# EAGLE board working (EAGLE 9.5.2), part 2 of 4
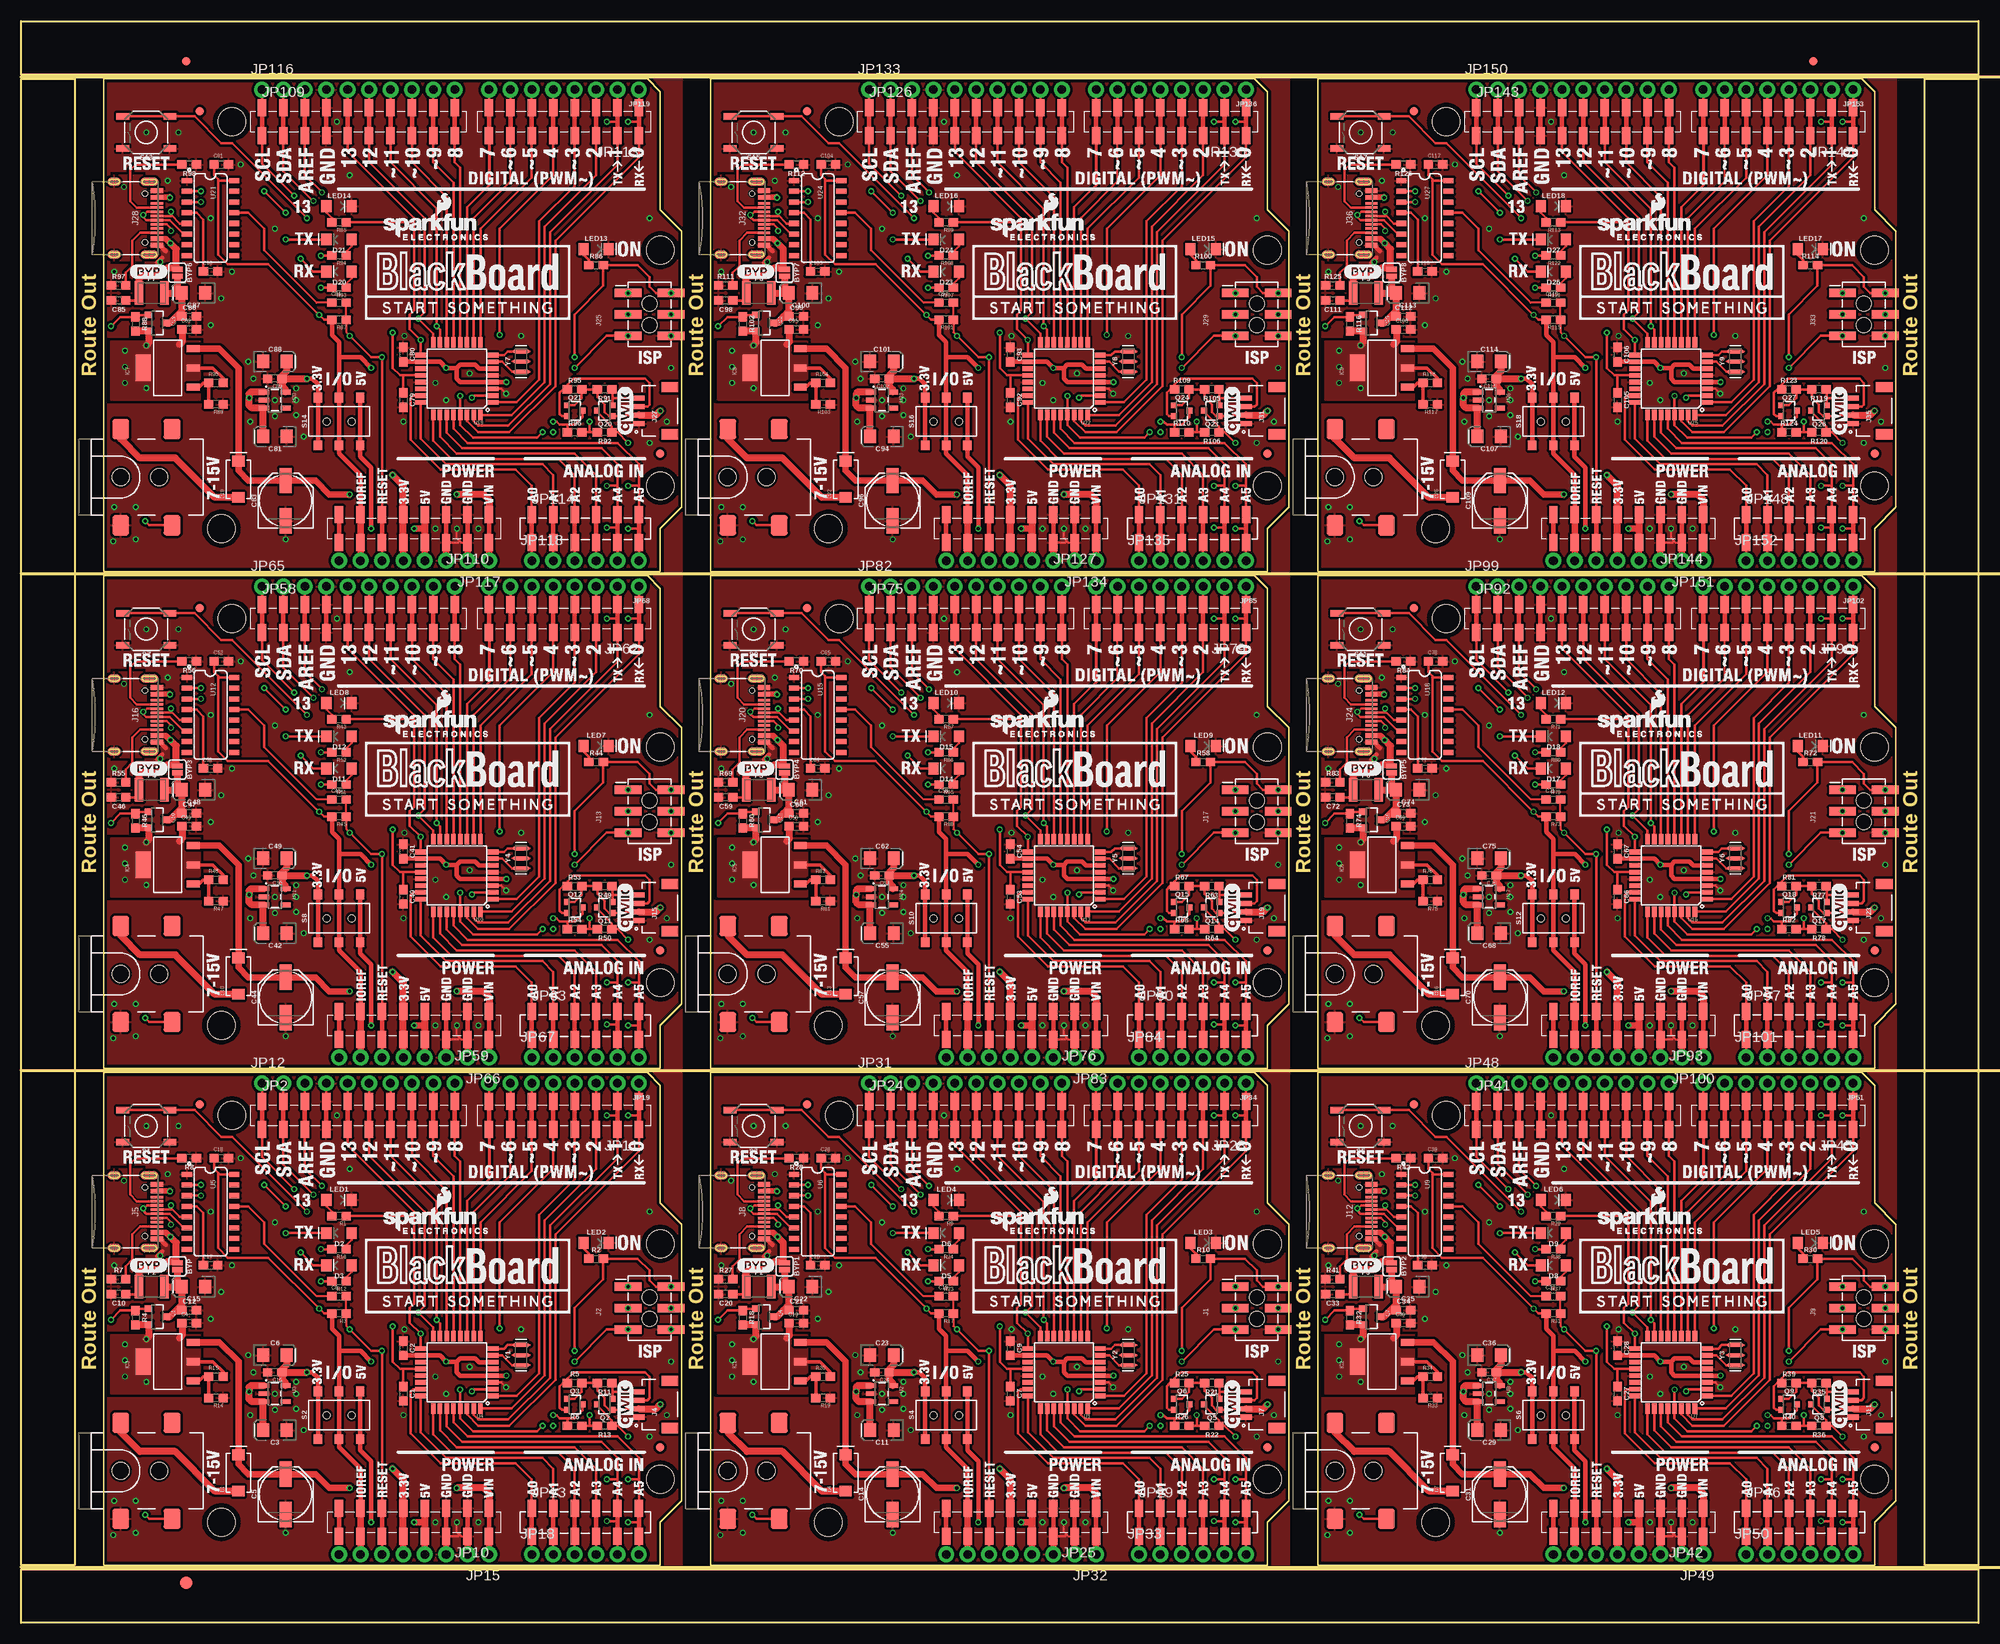
[diagram p0: board, top side]
## Nets
3.3V [power]: C6.+ C16.1 J4.2 JP10.5A JP10.5B JP15.5 Q2.1 Q3.1 R5.2 R11.2 S2.1 S2.4 U3.5
3.3V1 [power]: C23.+ C24.1 J7.2 JP25.5A JP25.5B JP32.5 Q5.1 Q6.1 R21.2 R25.2 S4.1 S4.4 U2.5
3.3V2 [power]: C36.+ C37.1 J11.2 JP42.5A JP42.5B JP49.5 Q8.1 Q9.1 R35.2 R39.2 S6.1 S6.4 U8.5
3.3V3 [power]: C49.+ C50.1 J15.2 JP59.5A JP59.5B JP66.5 Q11.1 Q12.1 R49.2 R53.2 S8.1 S8.4 U11.5
3.3V4 [power]: C62.+ C63.1 J19.2 JP76.5A JP76.5B JP83.5 Q14.1 Q15.1 R63.2 R67.2 S10.1 S10.4 U14.5
3.3V5 [power]: C75.+ C76.1 J23.2 JP93.5A JP93.5B JP100.5 Q17.1 Q18.1 R77.2 R81.2 S12.1 S12.4 U17.5
3.3V6 [power]: C88.+ C89.1 J27.2 JP110.5A JP110.5B JP117.5 Q20.1 Q21.1 R91.2 R95.2 S14.1 S14.4 U20.5
3.3V7 [power]: C101.+ C102.1 J31.2 JP127.5A JP127.5B JP134.5 Q23.1 Q24.1 R105.2 R109.2 S16.1 S16.4 U23.5
3.3V8 [power]: C114.+ C115.1 J35.2 JP144.5A JP144.5B JP151.5 Q26.1 Q27.1 R119.2 R123.2 S18.1 S18.4 U26.5
5V [power]: C3.+ C4.1 IC3.2 IC3.4 JP10.4A JP10.4B JP15.4 Q1.2 R4.2 R15.2 S2.3 S2.6 U3.1 U3.3
5V1 [power]: C11.+ C13.1 IC1.2 IC1.4 JP25.4A JP25.4B JP32.4 Q4.2 R18.2 R20.2 S4.3 S4.6 U2.1 U2.3
5V2 [power]: C29.+ C30.1 IC2.2 IC2.4 JP42.4A JP42.4B JP49.4 Q7.2 R32.2 R34.2 S6.3 S6.6 U8.1 U8.3
5V3 [power]: C42.+ C43.1 IC4.2 IC4.4 JP59.4A JP59.4B JP66.4 Q10.2 R46.2 R48.2 S8.3 S8.6 U11.1 U11.3
5V4 [power]: C55.+ C56.1 IC5.2 IC5.4 JP76.4A JP76.4B JP83.4 Q13.2 R60.2 R62.2 S10.3 S10.6 U14.1 U14.3
5V5 [power]: C68.+ C69.1 IC6.2 IC6.4 JP93.4A JP93.4B JP100.4 Q16.2 R74.2 R76.2 S12.3 S12.6 U17.1 U17.3
5V6 [power]: C81.+ C82.1 IC7.2 IC7.4 JP110.4A JP110.4B JP117.4 Q19.2 R88.2 R90.2 S14.3 S14.6 U20.1 U20.3
5V7 [power]: C94.+ C95.1 IC8.2 IC8.4 JP127.4A JP127.4B JP134.4 Q22.2 R102.2 R104.2 S16.3 S16.6 U23.1 U23.3
5V8 [power]: C107.+ C108.1 IC9.2 IC9.4 JP144.4A JP144.4B JP151.4 Q25.2 R116.2 R118.2 S18.3 S18.6 U26.1 U26.3
!DTR: C8.1 U5.13
!DTR1: C19.1 U6.13
!DTR2: C32.1 U9.13
!DTR3: C45.1 U12.13
!DTR4: C58.1 U15.13
!DTR5: C71.1 U18.13
!DTR6: C84.1 U21.13
!DTR7: C97.1 U24.13
!DTR8: C110.1 U27.13
!RESET: C8.2 J2.5 JP10.6A JP10.6B JP15.6 R3.1 S1.3 S1.4 TP6.P$1 U4.29
!RESET1: C19.2 J1.5 JP25.6A JP25.6B JP32.6 R17.1 S3.3 S3.4 TP12.P$1 U1.29
!RESET2: C32.2 J9.5 JP42.6A JP42.6B JP49.6 R31.1 S5.3 S5.4 TP18.P$1 U7.29
!RESET3: C45.2 J13.5 JP59.6A JP59.6B JP66.6 R45.1 S7.3 S7.4 TP24.P$1 U10.29
!RESET4: C58.2 J17.5 JP76.6A JP76.6B JP83.6 R59.1 S9.3 S9.4 TP30.P$1 U13.29
!RESET5: C71.2 J21.5 JP93.6A JP93.6B JP100.6 R73.1 S11.3 S11.4 TP36.P$1 U16.29
!RESET6: C84.2 J25.5 JP110.6A JP110.6B JP117.6 R87.1 S13.3 S13.4 TP42.P$1 U19.29
!RESET7: C97.2 J29.5 JP127.6A JP127.6B JP134.6 R101.1 S15.3 S15.4 TP48.P$1 U22.29
!RESET8: C110.2 J33.5 JP144.6A JP144.6B JP151.6 R115.1 S17.3 S17.4 TP54.P$1 U25.29
A0: JP13.1A JP13.1B JP18.1 U4.23
A1: JP13.2A JP13.2B JP18.2 U4.24
A2: JP13.3A JP13.3B JP18.3 U4.25
A3: JP13.4A JP13.4B JP18.4 U4.26
A4: JP29.1A JP29.1B JP33.1 U1.23
A4/SDA: JP2.2A JP2.2B JP12.2 JP13.5A JP13.5B JP18.5 QW2.1 U4.27
A4/SDA1: JP24.2A JP24.2B JP29.5A JP29.5B JP31.2 JP33.5 QW3.1 U1.27
A4/SDA2: JP41.2A JP41.2B JP46.5A JP46.5B JP48.2 JP50.5 QW5.1 U7.27
A4/SDA3: JP58.2A JP58.2B JP63.5A JP63.5B JP65.2 JP67.5 QW7.1 U10.27
A4/SDA4: JP75.2A JP75.2B JP80.5A JP80.5B JP82.2 JP84.5 QW9.1 U13.27
A4/SDA5: JP92.2A JP92.2B JP97.5A JP97.5B JP99.2 JP101.5 QW11.1 U16.27
A4/SDA6: JP109.2A JP109.2B JP114.5A JP114.5B JP116.2 JP118.5 QW13.1 U19.27
A4/SDA7: JP126.2A JP126.2B JP131.5A JP131.5B JP133.2 JP135.5 QW15.1 U22.27
A4/SDA8: JP143.2A JP143.2B JP148.5A JP148.5B JP150.2 JP152.5 QW17.1 U25.27
A5: JP29.2A JP29.2B JP33.2 U1.24
A5/SCL: JP2.1A JP2.1B JP12.1 JP13.6A JP13.6B JP18.6 QW1.1 U4.28
A5/SCL1: JP24.1A JP24.1B JP29.6A JP29.6B JP31.1 JP33.6 QW4.1 U1.28
A5/SCL2: JP41.1A JP41.1B JP46.6A JP46.6B JP48.1 JP50.6 QW6.1 U7.28
A5/SCL3: JP58.1A JP58.1B JP63.6A JP63.6B JP65.1 JP67.6 QW8.1 U10.28
A5/SCL4: JP75.1A JP75.1B JP80.6A JP80.6B JP82.1 JP84.6 QW10.1 U13.28
A5/SCL5: JP92.1A JP92.1B JP97.6A JP97.6B JP99.1 JP101.6 QW12.1 U16.28
A5/SCL6: JP109.1A JP109.1B JP114.6A JP114.6B JP116.1 JP118.6 QW14.1 U19.28
A5/SCL7: JP126.1A JP126.1B JP131.6A JP131.6B JP133.1 JP135.6 QW16.1 U22.28
A5/SCL8: JP143.1A JP143.1B JP148.6A JP148.6B JP150.1 JP152.6 QW18.1 U25.28
A6: JP29.3A JP29.3B JP33.3 U1.25
A7: JP29.4A JP29.4B JP33.4 U1.26
A8: JP46.1A JP46.1B JP50.1 U7.23
A9: JP46.2A JP46.2B JP50.2 U7.24
A10: JP46.3A JP46.3B JP50.3 U7.25
A11: JP46.4A JP46.4B JP50.4 U7.26
A12: JP63.1A JP63.1B JP67.1 U10.23
A13: JP63.2A JP63.2B JP67.2 U10.24
A14: JP63.3A JP63.3B JP67.3 U10.25
A15: JP63.4A JP63.4B JP67.4 U10.26
A16: JP80.1A JP80.1B JP84.1 U13.23
A17: JP80.2A JP80.2B JP84.2 U13.24
A18: JP80.3A JP80.3B JP84.3 U13.25
A19: JP80.4A JP80.4B JP84.4 U13.26
A20: JP97.1A JP97.1B JP101.1 U16.23
A21: JP97.2A JP97.2B JP101.2 U16.24
A22: JP97.3A JP97.3B JP101.3 U16.25
A23: JP97.4A JP97.4B JP101.4 U16.26
A24: JP114.1A JP114.1B JP118.1 U19.23
A25: JP114.2A JP114.2B JP118.2 U19.24
A26: JP114.3A JP114.3B JP118.3 U19.25
A27: JP114.4A JP114.4B JP118.4 U19.26
A28: JP131.1A JP131.1B JP135.1 U22.23
A29: JP131.2A JP131.2B JP135.2 U22.24
A30: JP131.3A JP131.3B JP135.3 U22.25
A31: JP131.4A JP131.4B JP135.4 U22.26
A32: JP148.1A JP148.1B JP152.1 U25.23
A33: JP148.2A JP148.2B JP152.2 U25.24
A34: JP148.3A JP148.3B JP152.3 U25.25
A35: JP148.4A JP148.4B JP152.4 U25.26
AREF: C1.1 JP2.3A JP2.3B JP12.3 U4.20
AREF1: C7.1 JP24.3A JP24.3B JP31.3 U1.20
AREF2: C27.1 JP41.3A JP41.3B JP48.3 U7.20
AREF3: C40.1 JP58.3A JP58.3B JP65.3 U10.20
AREF4: C53.1 JP75.3A JP75.3B JP82.3 U13.20
AREF5: C66.1 JP92.3A JP92.3B JP99.3 U16.20
AREF6: C79.1 JP109.3A JP109.3B JP116.3 U19.20
AREF7: C92.1 JP126.3A JP126.3B JP133.3 U22.20
AREF8: C105.1 JP143.3A JP143.3B JP150.3 U25.20
CC1: J5.A5 R8.2
CC2: J5.B5 R7.2
CC3: J8.B5 R27.2
CC4: J8.A5 R28.2
CC5: J12.B5 R41.2
CC6: J12.A5 R42.2
CC7: J16.B5 R55.2
CC8: J16.A5 R56.2
CC9: J20.B5 R69.2
CC10: J20.A5 R70.2
CC11: J24.B5 R83.2
CC12: J24.A5 R84.2
CC13: J28.B5 R97.2
CC14: J28.A5 R98.2
CC15: J32.B5 R111.2
CC16: J32.A5 R112.2
CC17: J36.B5 R125.2
CC18: J36.A5 R126.2
D1: JP28.3A JP28.3B JP34.3 U1.32
D2: JP11.3A JP11.3B JP19.3 U4.32
D3: JP11.4A JP11.4B JP19.4 U4.1
D4: JP11.5A JP11.5B JP19.5 U4.2
D5: JP11.6A JP11.6B JP19.6 U4.9
D6: JP11.7A JP11.7B JP19.7 U4.10
D7: JP11.8A JP11.8B JP19.8 U4.11
D8: JP2.10A JP2.10B JP12.10 U4.12
D9: JP2.9A JP2.9B JP12.9 U4.13
D10: JP2.8A JP2.8B JP12.8 U4.14
D11: JP28.4A JP28.4B JP34.4 U1.1
D12: JP28.5A JP28.5B JP34.5 U1.2
D13: JP28.6A JP28.6B JP34.6 U1.9
D14: JP28.7A JP28.7B JP34.7 U1.10
D15: JP28.8A JP28.8B JP34.8 U1.11
D16: JP24.10A JP24.10B JP31.10 U1.12
D17: JP24.9A JP24.9B JP31.9 U1.13
D18: JP24.8A JP24.8B JP31.8 U1.14
D19: JP45.3A JP45.3B JP51.3 U7.32
D20: JP45.4A JP45.4B JP51.4 U7.1
D21: JP45.5A JP45.5B JP51.5 U7.2
D22: JP45.6A JP45.6B JP51.6 U7.9
D23: JP45.7A JP45.7B JP51.7 U7.10
D24: JP45.8A JP45.8B JP51.8 U7.11
D25: JP41.10A JP41.10B JP48.10 U7.12
D26: JP41.9A JP41.9B JP48.9 U7.13
D27: JP41.8A JP41.8B JP48.8 U7.14
D28: JP62.3A JP62.3B JP68.3 U10.32
D29: JP62.4A JP62.4B JP68.4 U10.1
D30: JP62.5A JP62.5B JP68.5 U10.2
D31: JP62.6A JP62.6B JP68.6 U10.9
D32: JP62.7A JP62.7B JP68.7 U10.10
D33: JP62.8A JP62.8B JP68.8 U10.11
D34: JP58.10A JP58.10B JP65.10 U10.12
D35: JP58.9A JP58.9B JP65.9 U10.13
D36: JP58.8A JP58.8B JP65.8 U10.14
D37: JP79.3A JP79.3B JP85.3 U13.32
D38: JP79.4A JP79.4B JP85.4 U13.1
D39: JP79.5A JP79.5B JP85.5 U13.2
D40: JP79.6A JP79.6B JP85.6 U13.9
D41: JP79.7A JP79.7B JP85.7 U13.10
D42: JP79.8A JP79.8B JP85.8 U13.11
D43: JP75.10A JP75.10B JP82.10 U13.12
D44: JP75.9A JP75.9B JP82.9 U13.13
D45: JP75.8A JP75.8B JP82.8 U13.14
D46: JP96.3A JP96.3B JP102.3 U16.32
D47: JP96.4A JP96.4B JP102.4 U16.1
D48: JP96.5A JP96.5B JP102.5 U16.2
D49: JP96.6A JP96.6B JP102.6 U16.9
D50: JP96.7A JP96.7B JP102.7 U16.10
D51: JP96.8A JP96.8B JP102.8 U16.11
D52: JP92.10A JP92.10B JP99.10 U16.12
D53: JP92.9A JP92.9B JP99.9 U16.13
D54: JP92.8A JP92.8B JP99.8 U16.14
D55: JP113.3A JP113.3B JP119.3 U19.32
D56: JP113.4A JP113.4B JP119.4 U19.1
D57: JP113.5A JP113.5B JP119.5 U19.2
D58: JP113.6A JP113.6B JP119.6 U19.9
D59: JP113.7A JP113.7B JP119.7 U19.10
D60: JP113.8A JP113.8B JP119.8 U19.11
D61: JP109.10A JP109.10B JP116.10 U19.12
D62: JP109.9A JP109.9B JP116.9 U19.13
D63: JP109.8A JP109.8B JP116.8 U19.14
D64: JP130.3A JP130.3B JP136.3 U22.32
D65: JP130.4A JP130.4B JP136.4 U22.1
D66: JP130.5A JP130.5B JP136.5 U22.2
D67: JP130.6A JP130.6B JP136.6 U22.9
D68: JP130.7A JP130.7B JP136.7 U22.10
D69: JP130.8A JP130.8B JP136.8 U22.11
D70: JP126.10A JP126.10B JP133.10 U22.12
D71: JP126.9A JP126.9B JP133.9 U22.13
D72: JP126.8A JP126.8B JP133.8 U22.14
D73: JP147.3A JP147.3B JP153.3 U25.32
D74: JP147.4A JP147.4B JP153.4 U25.1
D75: JP147.5A JP147.5B JP153.5 U25.2
D76: JP147.6A JP147.6B JP153.6 U25.9
D77: JP147.7A JP147.7B JP153.7 U25.10
D78: JP147.8A JP147.8B JP153.8 U25.11
D79: JP143.10A JP143.10B JP150.10 U25.12
D80: JP143.9A JP143.9B JP150.9 U25.13
D81: JP143.8A JP143.8B JP150.8 U25.14
D+: J5.A6 J5.B6 JP14.D+ U5.5
D+1: J8.A6 J8.B6 JP30.D+ U6.5
D+2: J12.A6 J12.B6 JP47.D+ U9.5
D+3: J16.A6 J16.B6 JP64.D+ U12.5
D+4: J20.A6 J20.B6 JP81.D+ U15.5
D+5: J24.A6 J24.B6 JP98.D+ U18.5
D+6: J28.A6 J28.B6 JP115.D+ U21.5
D+7: J32.A6 J32.B6 JP132.D+ U24.5
D+8: J36.A6 J36.B6 JP149.D+ U27.5
D-: J5.A7 J5.B7 JP14.D- U5.6
D-1: J8.A7 J8.B7 JP30.D- U6.6
D-2: J12.A7 J12.B7 JP47.D- U9.6
D-3: J16.A7 J16.B7 JP64.D- U12.6
D-4: J20.A7 J20.B7 JP81.D- U15.6
D-5: J24.A7 J24.B7 JP98.D- U18.6
D-6: J28.A7 J28.B7 JP115.D- U21.6
D-7: J32.A7 J32.B7 JP132.D- U24.6
D-8: J36.A7 J36.B7 JP149.D- U27.6
GND: C1.2 C2.1 C3.- C4.2 C5.- C6.- C10.2 C12.2 C15.- C16.2 C17.2 C18.2 J2.6 J3.GND J4.1 J5.GND J5.GND2 JP2.4A JP2.4B JP10.2A JP10.2B JP10.3A JP10.3B JP12.4 JP14.GND JP15.2 JP15.3 LED1.C LED2.C R7.1 R8.1 R14.1 S1.1 S1.2 TP3.P$1 U3.2 U4.3 U4.5 U4.21 U5.1 Y1.2
GND1: C7.2 C9.1 C11.- C13.2 C14.- C20.2 C21.2 C22.- C23.- C24.2 C25.2 C26.2 J1.6 J6.GND J7.1 J8.GND J8.GND2 JP24.4A JP24.4B JP25.2A JP25.2B JP25.3A JP25.3B JP30.GND JP31.4 JP32.2 JP32.3 LED3.C LED4.C R19.1 R27.1 R28.1 S3.1 S3.2 TP9.P$1 U1.3 U1.5 U1.21 U2.2 U6.1 Y2.2
GND2: C27.2 C28.1 C29.- C30.2 C31.- C33.2 C34.2 C35.- C36.- C37.2 C38.2 C39.2 J9.6 J10.GND J11.1 J12.GND J12.GND2 JP41.4A JP41.4B JP42.2A JP42.2B JP42.3A JP42.3B JP47.GND JP48.4 JP49.2 JP49.3 LED5.C LED6.C R33.1 R41.1 R42.1 S5.1 S5.2 TP15.P$1 U7.3 U7.5 U7.21 U8.2 U9.1 Y3.2
GND3: C40.2 C41.1 C42.- C43.2 C44.- C46.2 C47.2 C48.- C49.- C50.2 C51.2 C52.2 J13.6 J14.GND J15.1 J16.GND J16.GND2 JP58.4A JP58.4B JP59.2A JP59.2B JP59.3A JP59.3B JP64.GND JP65.4 JP66.2 JP66.3 LED7.C LED8.C R47.1 R55.1 R56.1 S7.1 S7.2 TP21.P$1 U10.3 U10.5 U10.21 U11.2 U12.1 Y4.2
GND4: C53.2 C54.1 C55.- C56.2 C57.- C59.2 C60.2 C61.- C62.- C63.2 C64.2 C65.2 J17.6 J18.GND J19.1 J20.GND J20.GND2 JP75.4A JP75.4B JP76.2A JP76.2B JP76.3A JP76.3B JP81.GND JP82.4 JP83.2 JP83.3 LED9.C LED10.C R61.1 R69.1 R70.1 S9.1 S9.2 TP27.P$1 U13.3 U13.5 U13.21 U14.2 U15.1 Y5.2
GND5: C66.2 C67.1 C68.- C69.2 C70.- C72.2 C73.2 C74.- C75.- C76.2 C77.2 C78.2 J21.6 J22.GND J23.1 J24.GND J24.GND2 JP92.4A JP92.4B JP93.2A JP93.2B JP93.3A JP93.3B JP98.GND JP99.4 JP100.2 JP100.3 LED11.C LED12.C R75.1 R83.1 R84.1 S11.1 S11.2 TP33.P$1 U16.3 U16.5 U16.21 U17.2 U18.1 Y6.2
GND6: C79.2 C80.1 C81.- C82.2 C83.- C85.2 C86.2 C87.- C88.- C89.2 C90.2 C91.2 J25.6 J26.GND J27.1 J28.GND J28.GND2 JP109.4A JP109.4B JP110.2A JP110.2B JP110.3A JP110.3B JP115.GND JP116.4 JP117.2 JP117.3 LED13.C LED14.C R89.1 R97.1 R98.1 S13.1 S13.2 TP39.P$1 U19.3 U19.5 U19.21 U20.2 U21.1 Y7.2
GND7: C92.2 C93.1 C94.- C95.2 C96.- C98.2 C99.2 C100.- C101.- C102.2 C103.2 C104.2 J29.6 J30.GND J31.1 J32.GND J32.GND2 JP126.4A JP126.4B JP127.2A JP127.2B JP127.3A JP127.3B JP132.GND JP133.4 JP134.2 JP134.3 LED15.C LED16.C R103.1 R111.1 R112.1 S15.1 S15.2 TP45.P$1 U22.3 U22.5 U22.21 U23.2 U24.1 Y8.2
GND8: C105.2 C106.1 C107.- C108.2 C109.- C111.2 C112.2 C113.- C114.- C115.2 C116.2 C117.2 J33.6 J34.GND J35.1 J36.GND J36.GND2 JP143.4A JP143.4B JP144.2A JP144.2B JP144.3A JP144.3B JP149.GND JP150.4 JP151.2 JP151.3 LED17.C LED18.C R117.1 R125.1 R126.1 S17.1 S17.2 TP51.P$1 U25.3 U25.5 U25.21 U26.2 U27.1 Y9.2
INSERT: J3.P$4 Q1.1 R4.1
INSERT1: J6.P$4 Q4.1 R18.1
INSERT2: J10.P$4 Q7.1 R32.1
INSERT3: J14.P$4 Q10.1 R46.1
INSERT4: J18.P$4 Q13.1 R60.1
INSERT5: J22.P$4 Q16.1 R74.1
INSERT6: J26.P$4 Q19.1 R88.1
INSERT7: J30.P$4 Q22.1 R102.1
INSERT8: J34.P$4 Q25.1 R116.1
LV_SCL: J4.4 Q2.2 R11.1
LV_SCL1: J7.4 Q5.2 R21.1
LV_SCL2: J11.4 Q8.2 R35.1
LV_SCL3: J15.4 Q11.2 R49.1
LV_SCL4: J19.4 Q14.2 R63.1
LV_SCL5: J23.4 Q17.2 R77.1
LV_SCL6: J27.4 Q20.2 R91.1
LV_SCL7: J31.4 Q23.2 R105.1
LV_SCL8: J35.4 Q26.2 R119.1
LV_SDA: J4.3 Q3.2 R5.1
LV_SDA1: J7.3 Q6.2 R25.1
LV_SDA2: J11.3 Q9.2 R39.1
LV_SDA3: J15.3 Q12.2 R53.1
LV_SDA4: J19.3 Q15.2 R67.1
LV_SDA5: J23.3 Q18.2 R81.1
LV_SDA6: J27.3 Q21.2 R95.1
LV_SDA7: J31.3 Q24.2 R109.1
LV_SDA8: J35.3 Q27.2 R123.1
MISO: J2.1 JP2.6A JP2.6B JP12.6 TP4.P$1 U4.16
MISO1: J1.1 JP24.6A JP24.6B JP31.6 TP10.P$1 U1.16
MISO2: J9.1 JP41.6A JP41.6B JP48.6 TP16.P$1 U7.16
MISO3: J13.1 JP58.6A JP58.6B JP65.6 TP22.P$1 U10.16
MISO4: J17.1 JP75.6A JP75.6B JP82.6 TP28.P$1 U13.16
MISO5: J21.1 JP92.6A JP92.6B JP99.6 TP34.P$1 U16.16
MISO6: J25.1 JP109.6A JP109.6B JP116.6 TP40.P$1 U19.16
MISO7: J29.1 JP126.6A JP126.6B JP133.6 TP46.P$1 U22.16
MISO8: J33.1 JP143.6A JP143.6B JP150.6 TP52.P$1 U25.16
MOSI: J2.4 JP2.7A JP2.7B JP12.7 TP2.P$1 U4.15
MOSI1: J1.4 JP24.7A JP24.7B JP31.7 TP8.P$1 U1.15
MOSI2: J9.4 JP41.7A JP41.7B JP48.7 TP14.P$1 U7.15
MOSI3: J13.4 JP58.7A JP58.7B JP65.7 TP20.P$1 U10.15
MOSI4: J17.4 JP75.7A JP75.7B JP82.7 TP26.P$1 U13.15
MOSI5: J21.4 JP92.7A JP92.7B JP99.7 TP32.P$1 U16.15
MOSI6: J25.4 JP109.7A JP109.7B JP116.7 TP38.P$1 U19.15
MOSI7: J29.4 JP126.7A JP126.7B JP133.7 TP44.P$1 U22.15
MOSI8: J33.4 JP143.7A JP143.7B JP150.7 TP50.P$1 U25.15
N$1: LED1.A R1.2
N$2: LED2.A R2.1
N$3: U4.7 Y1.1
N$4: U4.8 Y1.3
N$5: D2.A R16.1
N$6: C17.1 U5.4
N$7: Q2.3 QW1.2 R13.1
N$8: LED3.A R10.1
N$9: D3.A R12.1
N$10: LED4.A R9.2
N$11: IC1.1 R19.2 R20.1
N$12: U1.7 Y2.1
N$13: U1.8 Y2.3
N$14: D6.A R24.1
N$15: IC3.1 R14.2 R15.1
N$16: D5.A R23.1
N$17: C25.1 U6.4
N$18: Q5.3 QW4.2 R22.1
N$19: Q6.3 QW3.2 R26.1
N$20: LED5.A R30.1
N$21: LED6.A R29.2
N$22: IC2.1 R33.2 R34.1
N$23: U7.7 Y3.1
N$24: U7.8 Y3.3
N$25: D9.A R38.1
N$26: D8.A R37.1
N$27: C38.1 U9.4
N$28: Q8.3 QW6.2 R36.1
N$29: Q9.3 QW5.2 R40.1
N$30: LED7.A R44.1
N$31: LED8.A R43.2
N$32: IC4.1 R47.2 R48.1
N$33: U10.7 Y4.1
N$34: U10.8 Y4.3
N$35: D12.A R52.1
N$36: D11.A R51.1
N$37: C51.1 U12.4
N$38: Q11.3 QW8.2 R50.1
N$39: Q12.3 QW7.2 R54.1
N$40: LED9.A R58.1
N$41: LED10.A R57.2
N$42: IC5.1 R61.2 R62.1
N$43: U13.7 Y5.1
N$44: U13.8 Y5.3
N$45: Q3.3 QW2.2 R6.1
N$46: D15.A R66.1
N$47: D14.A R65.1
N$48: C64.1 U15.4
N$49: Q14.3 QW10.2 R64.1
N$50: Q15.3 QW9.2 R68.1
N$51: LED11.A R72.1
N$52: LED12.A R71.2
N$53: IC6.1 R75.2 R76.1
N$54: U16.7 Y6.1
N$55: U16.8 Y6.3
N$56: D18.A R80.1
N$57: D17.A R79.1
N$58: C77.1 U18.4
N$59: Q17.3 QW12.2 R78.1
N$60: Q18.3 QW11.2 R82.1
N$61: LED13.A R86.1
N$62: LED14.A R85.2
N$63: IC7.1 R89.2 R90.1
N$64: U19.7 Y7.1
N$65: U19.8 Y7.3
N$66: D21.A R94.1
N$67: D20.A R93.1
N$68: C90.1 U21.4
N$69: Q20.3 QW14.2 R92.1
N$70: Q21.3 QW13.2 R96.1
N$71: LED15.A R100.1
N$72: LED16.A R99.2
N$73: IC8.1 R103.2 R104.1
N$74: U22.7 Y8.1
N$75: U22.8 Y8.3
N$76: D24.A R108.1
N$77: D23.A R107.1
N$78: C103.1 U24.4
N$79: Q23.3 QW16.2 R106.1
N$80: Q24.3 QW15.2 R110.1
N$81: LED17.A R114.1
N$82: LED18.A R113.2
N$83: IC9.1 R117.2 R118.1
N$84: U25.7 Y9.1
N$85: U25.8 Y9.3
N$86: D27.A R122.1
N$87: D26.A R121.1
N$88: C116.1 U27.4
N$89: Q26.3 QW18.2 R120.1
N$90: Q27.3 QW17.2 R124.1
PWRIN [power]: D1.A J3.VIN0
PWRIN1 [power]: D4.A J6.VIN0
PWRIN2 [power]: D7.A J10.VIN0
PWRIN3 [power]: D10.A J14.VIN0
PWRIN4 [power]: D13.A J18.VIN0
PWRIN5 [power]: D16.A J22.VIN0
PWRIN6 [power]: D19.A J26.VIN0
PWRIN7 [power]: D22.A J30.VIN0
PWRIN8 [power]: D25.A J34.VIN0
RX-I: D3.C JP11.1A JP11.1B JP19.1 U4.30 U5.2
RX-I1: D5.C JP28.1A JP28.1B JP34.1 U1.30 U6.2
RX-I2: D8.C JP45.1A JP45.1B JP51.1 U7.30 U9.2
RX-I3: D11.C JP62.1A JP62.1B JP68.1 U10.30 U12.2
RX-I4: D14.C JP79.1A JP79.1B JP85.1 U13.30 U15.2
RX-I5: D17.C JP96.1A JP96.1B JP102.1 U16.30 U18.2
RX-I6: D20.C JP113.1A JP113.1B JP119.1 U19.30 U21.2
RX-I7: D23.C JP130.1A JP130.1B JP136.1 U22.30 U24.2
RX-I8: D26.C JP147.1A JP147.1B JP153.1 U25.30 U27.2
SCK: J2.3 JP2.5A JP2.5B JP12.5 R1.1 TP5.P$1 U4.17
SCK1: J1.3 JP24.5A JP24.5B JP31.5 R9.1 TP11.P$1 U1.17
SCK2: J9.3 JP41.5A JP41.5B JP48.5 R29.1 TP17.P$1 U7.17
SCK3: J13.3 JP58.5A JP58.5B JP65.5 R43.1 TP23.P$1 U10.17
SCK4: J17.3 JP75.5A JP75.5B JP82.5 R57.1 TP29.P$1 U13.17
SCK5: J21.3 JP92.5A JP92.5B JP99.5 R71.1 TP35.P$1 U16.17
SCK6: J25.3 JP109.5A JP109.5B JP116.5 R85.1 TP41.P$1 U19.17
SCK7: J29.3 JP126.5A JP126.5B JP133.5 R99.1 TP47.P$1 U22.17
SCK8: J33.3 JP143.5A JP143.5B JP150.5 R113.1 TP53.P$1 U25.17
SHLD: J5.SHLD1 J5.SHLD2 J5.SHLD3 J5.SHLD4 J5.SHLD5 J5.SHLD6 J5.SHLD7 J5.SHLD8
SHLD1: J8.SHLD1 J8.SHLD2 J8.SHLD3 J8.SHLD4 J8.SHLD5 J8.SHLD6 J8.SHLD7 J8.SHLD8
SHLD2: J12.SHLD1 J12.SHLD2 J12.SHLD3 J12.SHLD4 J12.SHLD5 J12.SHLD6 J12.SHLD7 J12.SHLD8
SHLD3: J16.SHLD1 J16.SHLD2 J16.SHLD3 J16.SHLD4 J16.SHLD5 J16.SHLD6 J16.SHLD7 J16.SHLD8
SHLD4: J20.SHLD1 J20.SHLD2 J20.SHLD3 J20.SHLD4 J20.SHLD5 J20.SHLD6 J20.SHLD7 J20.SHLD8
SHLD5: J24.SHLD1 J24.SHLD2 J24.SHLD3 J24.SHLD4 J24.SHLD5 J24.SHLD6 J24.SHLD7 J24.SHLD8
SHLD6: J28.SHLD1 J28.SHLD2 J28.SHLD3 J28.SHLD4 J28.SHLD5 J28.SHLD6 J28.SHLD7 J28.SHLD8
SHLD7: J32.SHLD1 J32.SHLD2 J32.SHLD3 J32.SHLD4 J32.SHLD5 J32.SHLD6 J32.SHLD7 J32.SHLD8
SHLD8: J36.SHLD1 J36.SHLD2 J36.SHLD3 J36.SHLD4 J36.SHLD5 J36.SHLD6 J36.SHLD7 J36.SHLD8
TX-O: D2.C JP11.2A JP11.2B JP19.2 U4.31 U5.3
TX-O1: D6.C JP28.2A JP28.2B JP34.2 U1.31 U6.3
TX-O2: D9.C JP45.2A JP45.2B JP51.2 U7.31 U9.3
TX-O3: D12.C JP62.2A JP62.2B JP68.2 U10.31 U12.3
TX-O4: D15.C JP79.2A JP79.2B JP85.2 U13.31 U15.3
TX-O5: D18.C JP96.2A JP96.2B JP102.2 U16.31 U18.3
TX-O6: D21.C JP113.2A JP113.2B JP119.2 U19.31 U21.3
TX-O7: D24.C JP130.2A JP130.2B JP136.2 U22.31 U24.3
TX-O8: D27.C JP147.2A JP147.2B JP153.2 U25.31 U27.3
USBVCC [power]: BYP.2 C12.1 C15.+ F2.2 Q1.3
USBVCC1 [power]: BYP1.2 C21.1 C22.+ F1.2 Q4.3
USBVCC2 [power]: BYP2.2 C34.1 C35.+ F3.2 Q7.3
USBVCC3 [power]: BYP3.2 C47.1 C48.+ F4.2 Q10.3
USBVCC4 [power]: BYP4.2 C60.1 C61.+ F5.2 Q13.3
USBVCC5 [power]: BYP5.2 C73.1 C74.+ F6.2 Q16.3
USBVCC6 [power]: BYP6.2 C86.1 C87.+ F7.2 Q19.3
USBVCC7 [power]: BYP7.2 C99.1 C100.+ F8.2 Q22.3
USBVCC8 [power]: BYP8.2 C112.1 C113.+ F9.2 Q25.3
VCC: C2.2 C18.1 J2.2 JP10.7A JP10.7B JP15.7 R2.2 R3.2 R6.2 R12.2 R13.2 R16.2 S2.2 S2.5 TP1.P$1 U4.4 U4.6 U4.18 U5.16
VCC1: C9.2 C26.1 J1.2 JP25.7A JP25.7B JP32.7 R10.2 R17.2 R22.2 R23.2 R24.2 R26.2 S4.2 S4.5 TP7.P$1 U1.4 U1.6 U1.18 U6.16
VCC2: C28.2 C39.1 J9.2 JP42.7A JP42.7B JP49.7 R30.2 R31.2 R36.2 R37.2 R38.2 R40.2 S6.2 S6.5 TP13.P$1 U7.4 U7.6 U7.18 U9.16
VCC3: C41.2 C52.1 J13.2 JP59.7A JP59.7B JP66.7 R44.2 R45.2 R50.2 R51.2 R52.2 R54.2 S8.2 S8.5 TP19.P$1 U10.4 U10.6 U10.18 U12.16
VCC4: C54.2 C65.1 J17.2 JP76.7A JP76.7B JP83.7 R58.2 R59.2 R64.2 R65.2 R66.2 R68.2 S10.2 S10.5 TP25.P$1 U13.4 U13.6 U13.18 U15.16
VCC5: C67.2 C78.1 J21.2 JP93.7A JP93.7B JP100.7 R72.2 R73.2 R78.2 R79.2 R80.2 R82.2 S12.2 S12.5 TP31.P$1 U16.4 U16.6 U16.18 U18.16
VCC6: C80.2 C91.1 J25.2 JP110.7A JP110.7B JP117.7 R86.2 R87.2 R92.2 R93.2 R94.2 R96.2 S14.2 S14.5 TP37.P$1 U19.4 U19.6 U19.18 U21.16
VCC7: C93.2 C104.1 J29.2 JP127.7A JP127.7B JP134.7 R100.2 R101.2 R106.2 R107.2 R108.2 R110.2 S16.2 S16.5 TP43.P$1 U22.4 U22.6 U22.18 U24.16
VCC8: C106.2 C117.1 J33.2 JP144.7A JP144.7B JP151.7 R114.2 R115.2 R120.2 R121.2 R122.2 R124.2 S18.2 S18.5 TP49.P$1 U25.4 U25.6 U25.18 U27.16
VIN [power]: C5.+ D1.C IC3.3 JP10.1A JP10.1B JP15.1
VIN1 [power]: C14.+ D4.C IC1.3 JP25.1A JP25.1B JP32.1
VIN2 [power]: C31.+ D7.C IC2.3 JP42.1A JP42.1B JP49.1
VIN3 [power]: C44.+ D10.C IC4.3 JP59.1A JP59.1B JP66.1
VIN4 [power]: C57.+ D13.C IC5.3 JP76.1A JP76.1B JP83.1
VIN5 [power]: C70.+ D16.C IC6.3 JP93.1A JP93.1B JP100.1
VIN6 [power]: C83.+ D19.C IC7.3 JP110.1A JP110.1B JP117.1
VIN7 [power]: C96.+ D22.C IC8.3 JP127.1A JP127.1B JP134.1
VIN8 [power]: C109.+ D25.C IC9.3 JP144.1A JP144.1B JP151.1
VUSB [power]: BYP.1 C10.1 F2.1 J5.VBUS1 J5.VBUS2 JP14.VBUS
VUSB1 [power]: BYP1.1 C20.1 F1.1 J8.VBUS1 J8.VBUS2 JP30.VBUS
VUSB2 [power]: BYP2.1 C33.1 F3.1 J12.VBUS1 J12.VBUS2 JP47.VBUS
VUSB3 [power]: BYP3.1 C46.1 F4.1 J16.VBUS1 J16.VBUS2 JP64.VBUS
VUSB4 [power]: BYP4.1 C59.1 F5.1 J20.VBUS1 J20.VBUS2 JP81.VBUS
VUSB5 [power]: BYP5.1 C72.1 F6.1 J24.VBUS1 J24.VBUS2 JP98.VBUS
VUSB6 [power]: BYP6.1 C85.1 F7.1 J28.VBUS1 J28.VBUS2 JP115.VBUS
VUSB7 [power]: BYP7.1 C98.1 F8.1 J32.VBUS1 J32.VBUS2 JP132.VBUS
VUSB8 [power]: BYP8.1 C111.1 F9.1 J36.VBUS1 J36.VBUS2 JP149.VBUS

## Tracks (layer width: path | path; a pad name or v marks a point on that pad's centre or on a via)
3.3V  (via drill 0.38)
  Top 0.254: JP10.5B JP10.5A
  Top 0.305: J4.2 71.76,25.41 71.61,25.26 Q2.1 69.74,25.26 69.22,25.78 69.22,26.67 68.36,27.52 R11.2 R5.2 66.51,27.39 65.67,26.56 Q3.1
  Top 0.508: 31.37,28.16 U3.5 | v33.91,29.72 34.54,29.72 35.22,29.04 S2.1 S2.4
  Top 0.762: JP10.5A JP15.5
  Top 0.813: JP10.5A 45.34,17.02 v44.07,18.29 | C6.+ 31.5,30.61 30.95,30.06 C16.1 | C16.1 v33.91,29.72 | C16.1 30.95,28.87 31.37,28.45 31.37,28.16 | J4.2 75.32,25.41 v75.82,25.91
  Bottom 0.813: v33.91,29.72 33.91,24.64 40.26,18.29 v44.07,18.29 44.96,17.4 60.96,17.4 68.2,10.16 72.77,10.16 73.28,10.67 73.28,23.37 v75.82,25.91
3.3V1  (via drill 0.38)
  Top 0.254: JP25.5B JP25.5A
  Top 0.305: J7.2 143.77,25.41 143.62,25.26 Q5.1 141.75,25.26 141.22,25.78 141.22,26.67 140.37,27.52 R21.2 R25.2 138.52,27.39 137.68,26.56 Q6.1
  Top 0.508: 103.38,28.16 U2.5 | v105.92,29.72 106.55,29.72 107.23,29.04 S4.1 S4.4
  Top 0.762: JP25.5A JP32.5
  Top 0.813: JP25.5A 117.35,17.02 v116.08,18.29 | C23.+ 103.51,30.61 102.96,30.06 C24.1 | C24.1 v105.92,29.72 | C24.1 102.96,28.87 103.38,28.45 103.38,28.16 | J7.2 147.33,25.41 v147.83,25.91
  Bottom 0.813: v105.92,29.72 105.92,24.64 112.27,18.29 v116.08,18.29 116.97,17.4 132.97,17.4 140.21,10.16 144.78,10.16 145.29,10.67 145.29,23.37 v147.83,25.91
3.3V2  (via drill 0.38)
  Top 0.254: JP42.5B JP42.5A
  Top 0.305: J11.2 215.78,25.41 215.63,25.26 Q8.1 213.76,25.26 213.23,25.78 213.23,26.67 212.38,27.52 R35.2 R39.2 210.53,27.39 209.69,26.56 Q9.1
  Top 0.508: 175.39,28.16 U8.5 | v177.93,29.72 178.56,29.72 179.24,29.04 S6.1 S6.4
  Top 0.762: JP42.5A JP49.5
  Top 0.813: JP42.5A 189.36,17.02 v188.09,18.29 | C36.+ 175.52,30.61 174.97,30.06 C37.1 | C37.1 v177.93,29.72 | C37.1 174.97,28.87 175.39,28.45 175.39,28.16 | J11.2 219.34,25.41 v219.84,25.91
  Bottom 0.813: v177.93,29.72 177.93,24.64 184.28,18.29 v188.09,18.29 188.98,17.4 204.98,17.4 212.22,10.16 216.79,10.16 217.3,10.67 217.3,23.37 v219.84,25.91
3.3V3  (via drill 0.38)
  Top 0.254: JP59.5B JP59.5A
  Top 0.305: J15.2 71.76,84.34 71.61,84.19 Q11.1 69.74,84.19 69.22,84.71 69.22,85.6 68.36,86.45 R49.2 R53.2 66.51,86.32 65.67,85.49 Q12.1
  Top 0.508: 31.37,87.09 U11.5 | v33.91,88.65 34.54,88.65 35.22,87.97 S8.1 S8.4
  Top 0.762: JP59.5A JP66.5
  Top 0.813: JP59.5A 45.34,75.95 v44.07,77.22 | C49.+ 31.5,89.54 30.95,88.99 C50.1 | C50.1 v33.91,88.65 | C50.1 30.95,87.8 31.37,87.38 31.37,87.09 | J15.2 75.32,84.34 v75.82,84.84
  Bottom 0.813: v33.91,88.65 33.91,83.57 40.26,77.22 v44.07,77.22 44.96,76.33 60.96,76.33 68.2,69.09 72.77,69.09 73.28,69.6 73.28,82.3 v75.82,84.84
3.3V4  (via drill 0.38)
  Top 0.254: JP76.5B JP76.5A
  Top 0.305: J19.2 143.77,84.34 143.62,84.19 Q14.1 141.75,84.19 141.22,84.71 141.22,85.6 140.37,86.45 R63.2 R67.2 138.52,86.32 137.68,85.49 Q15.1
  Top 0.508: 103.38,87.09 U14.5 | v105.92,88.65 106.55,88.65 107.23,87.97 S10.1 S10.4
  Top 0.762: JP76.5A JP83.5
  Top 0.813: JP76.5A 117.35,75.95 v116.08,77.22 | C62.+ 103.51,89.54 102.96,88.99 C63.1 | C63.1 v105.92,88.65 | C63.1 102.96,87.8 103.38,87.38 103.38,87.09 | J19.2 147.33,84.34 v147.83,84.84
  Bottom 0.813: v105.92,88.65 105.92,83.57 112.27,77.22 v116.08,77.22 116.97,76.33 132.97,76.33 140.21,69.09 144.78,69.09 145.29,69.6 145.29,82.3 v147.83,84.84
3.3V5  (via drill 0.38)
  Top 0.254: JP93.5B JP93.5A
  Top 0.305: J23.2 215.78,84.34 215.63,84.19 Q17.1 213.76,84.19 213.23,84.71 213.23,85.6 212.38,86.45 R77.2 R81.2 210.53,86.32 209.69,85.49 Q18.1
  Top 0.508: 175.39,87.09 U17.5 | v177.93,88.65 178.56,88.65 179.24,87.97 S12.1 S12.4
  Top 0.762: JP93.5A JP100.5
  Top 0.813: JP93.5A 189.36,75.95 v188.09,77.22 | C75.+ 175.52,89.54 174.97,88.99 C76.1 | C76.1 v177.93,88.65 | C76.1 174.97,87.8 175.39,87.38 175.39,87.09 | J23.2 219.34,84.34 v219.84,84.84
  Bottom 0.813: v177.93,88.65 177.93,83.57 184.28,77.22 v188.09,77.22 188.98,76.33 204.98,76.33 212.22,69.09 216.79,69.09 217.3,69.6 217.3,82.3 v219.84,84.84
3.3V6  (via drill 0.38)
  Top 0.254: JP110.5B JP110.5A
  Top 0.305: J27.2 71.76,143.26 71.61,143.11 Q20.1 69.74,143.11 69.22,143.64 69.22,144.53 68.36,145.38 R91.2 R95.2 66.51,145.25 65.67,144.41 Q21.1
  Top 0.508: 31.37,146.01 U20.5 | v33.91,147.57 34.54,147.57 35.22,146.9 S14.1 S14.4
  Top 0.762: JP110.5A JP117.5
  Top 0.813: JP110.5A 45.34,134.87 v44.07,136.14 | C88.+ 31.5,148.47 30.95,147.92 C89.1 | C89.1 v33.91,147.57 | C89.1 30.95,146.72 31.37,146.3 31.37,146.01 | J27.2 75.32,143.26 v75.82,143.76